# Altium PCB SPG300 Rev05.PcbDoc (part 8 of 8)
Units mm, origin at the board's own origin, x right, y up, seen from the top; angles counter-clockwise.
Board outline 176 x 152 mm, 6 copper layers (Top Layer, GND, Layer 1, Layer 2, PWR, Bottom Layer), stack 1.924 mm thick; 738 components, 393 nets, 2440 pads, 974 vias.
Unrouted connection lines stored in the file: 395.
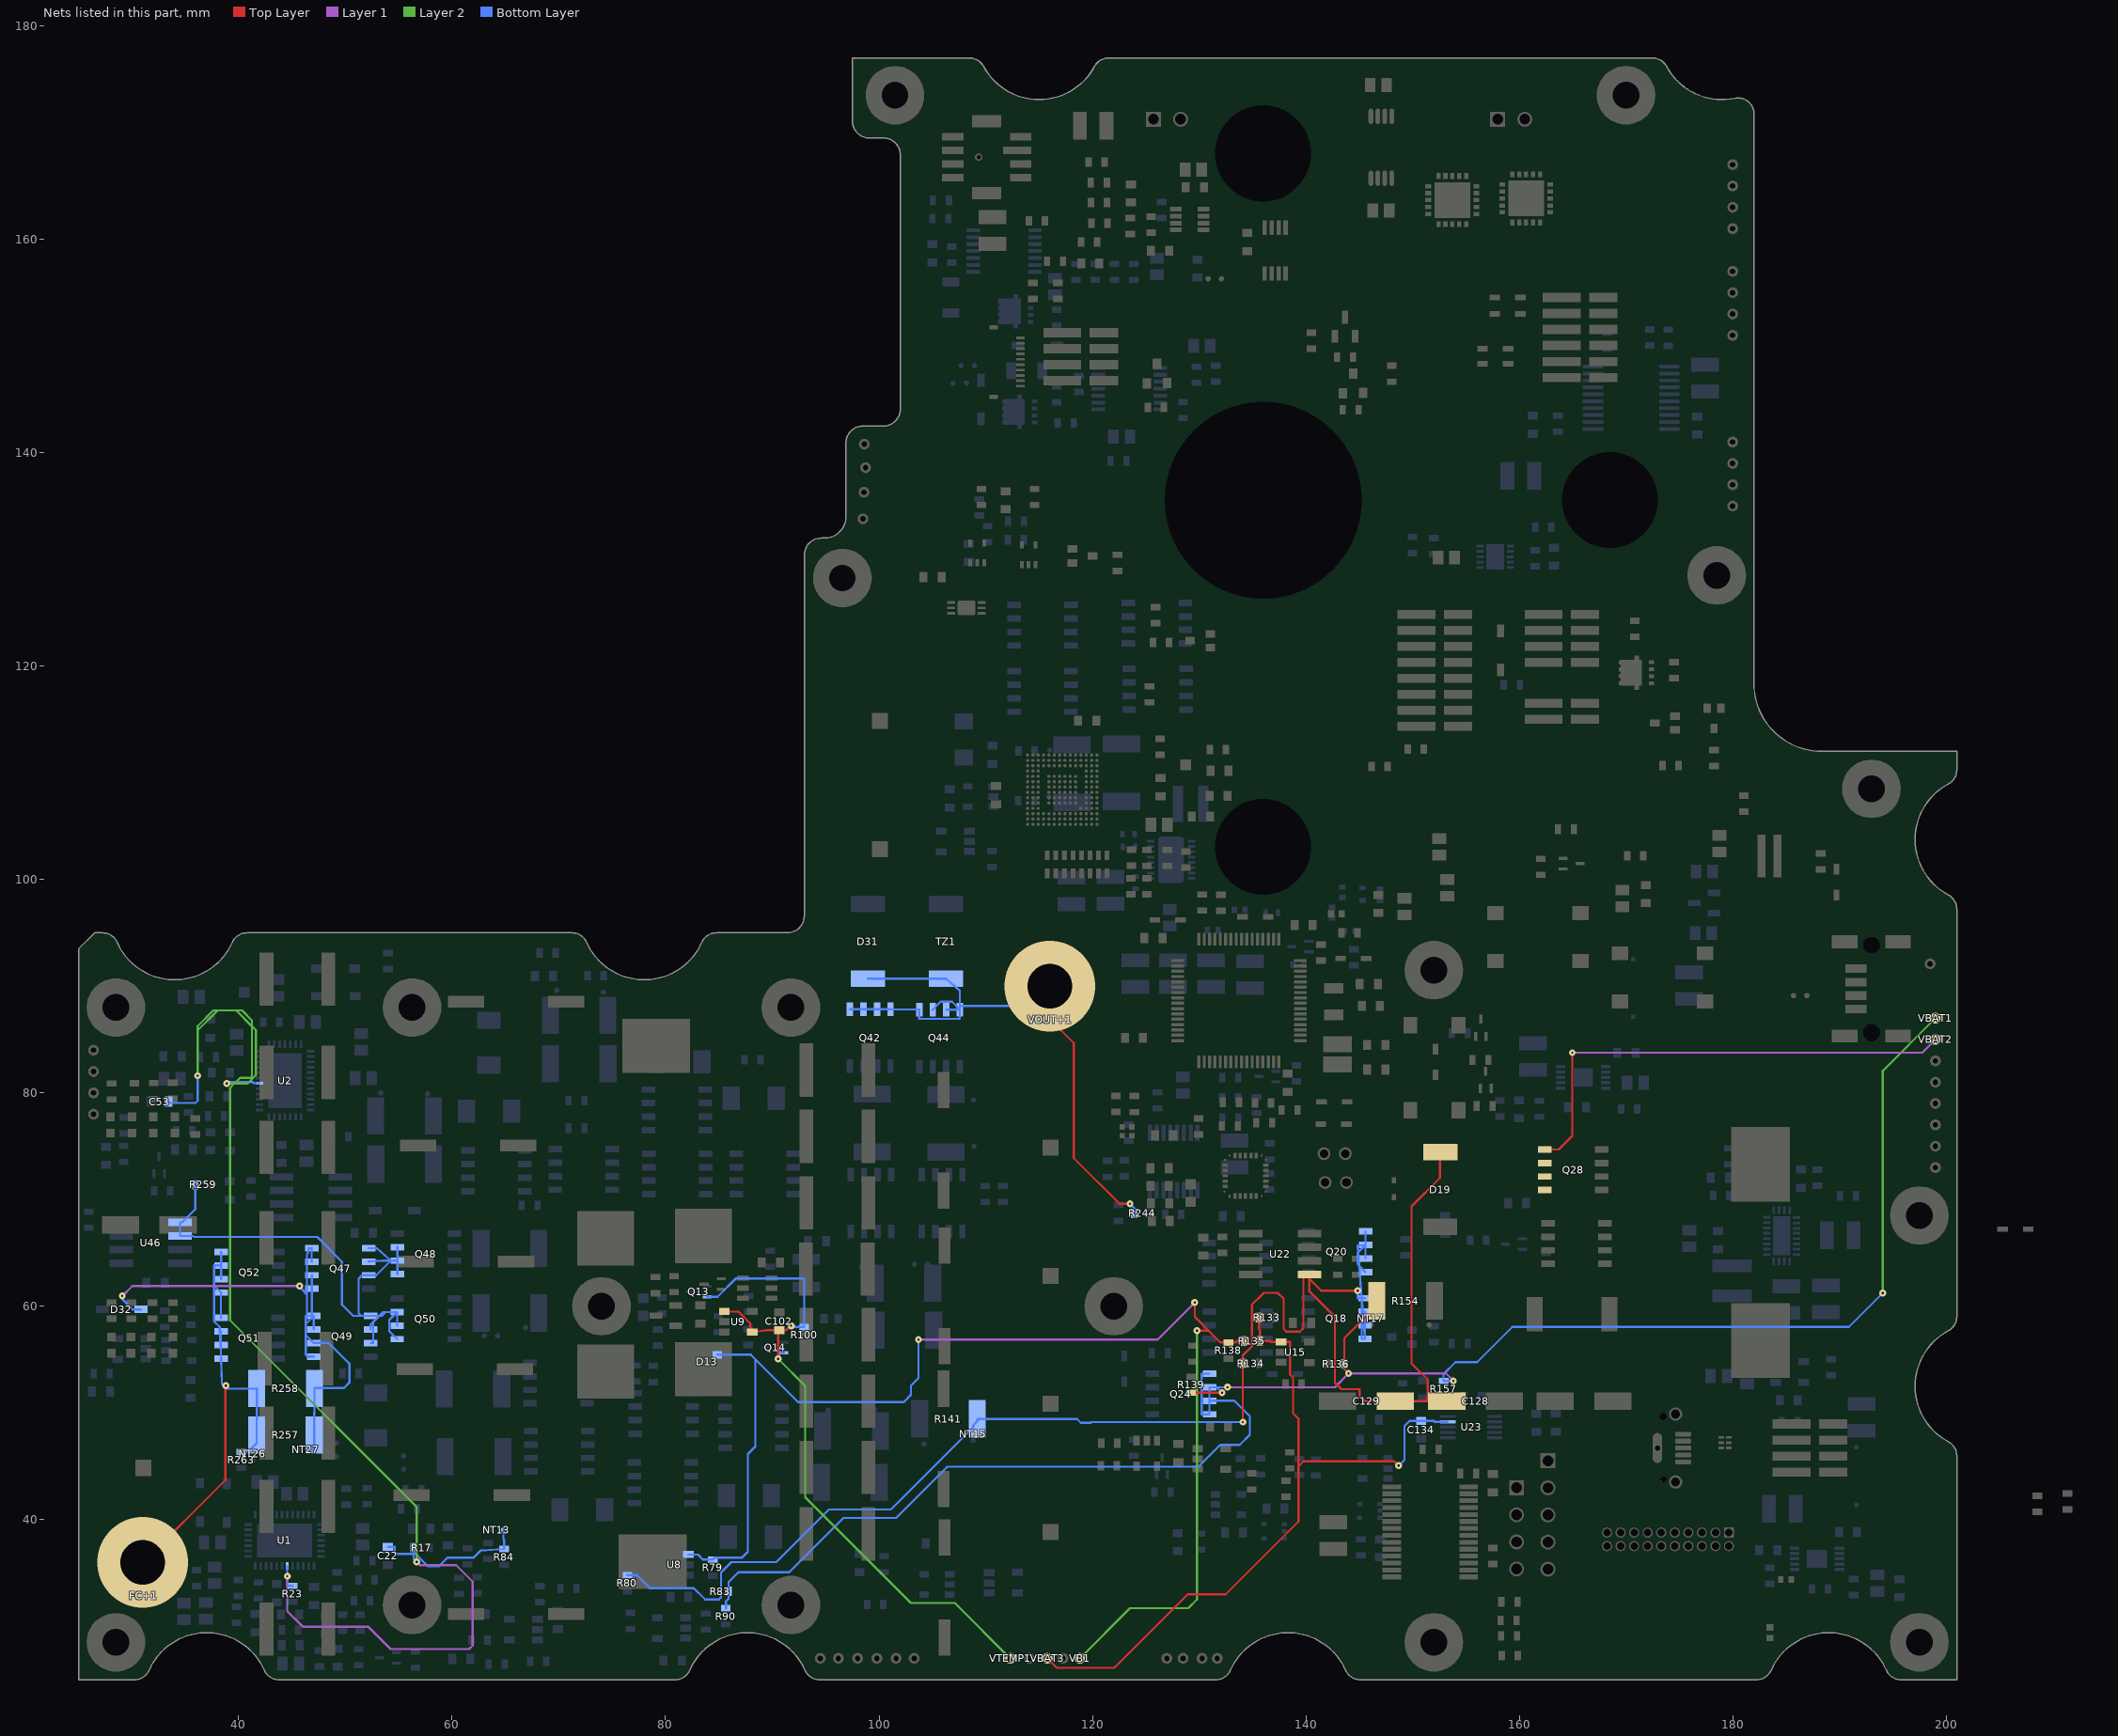
[diagram p12: the nets of this part, all layers, seen from the top]

## Via types
v1: diameter 0.65, hole 0.203, Top Layer to Bottom Layer, 964 vias
v2: diameter 8.5/0.5/0.5/8.5 (per signal layer), hole 4.2, Top Layer to Bottom Layer, 9 vias
v3: diameter 0.905, hole 0.305, Top Layer to Bottom Layer, 1 vias

## Nets (pads, with @x,y where several pads share a name; then routed paths per layer and width w, separated by ;. In a path a pad name is that pad's centre, name@x,y a point inside that pad or via, vN(x,y) a via of type N, cw(c..) or ccw(c..) an arc to the next point about the centre after c; other vN are vias at no path point) (continued)
VB2LIM: D13.1 R79.2 R135.1 R138.2 U8.1 VB1.1 | length 124
  Top Layer w0.203: v1(129.591,60.35) 129.591,59.004 130.886,57.709 ; v1(129.794,57.709) 130.886,57.709 ; R135.1@134.2,56.736 133.537,56.736 133.401,56.6 R138.2@132.749,56.6 131.995,56.6 130.886,57.709
  Layer 1 w0.203: v1(103.703,56.871) 126.111,56.871 v1(129.591,60.35)
  Layer 2 w0.203: VB1.1@118.825,27 123.524,31.699 128.981,31.699 129.794,32.512 v1(129.794,57.709)
  Bottom Layer w0.203: U8.1@82.141,36.725 83.033,36.725 83.508,36.25 R79.2@84.426,36.25 84.625,36.449 87.173,36.449 87.706,36.982 87.706,46.152 88.417,46.863 88.417,55.028 ; D13.1@84.85,55.46 87.986,55.46 88.417,55.028 ; v1(103.703,56.871) 103.703,53.259 102.997,52.553 102.997,51.689 102.311,51.003 92.442,51.003 88.417,55.028
VBAT1: NT17.1 Q24.D1 Q24.D2 Q24.D3 Q24.D4 R83.1 R90.1 R136.2 R139.2 R154.2 R157.2 VBAT1.1 | length 180.3
  Top Layer w0.203: R139.2@129.251,51.9 v1(132.156,51.9) ; v1(144.006,53.698) 143.6,54.104 R136.2@143.6,54.6 143.6,56.999 NT17.1@146.101,59.5 146.101,59.715 146.65,60.265 R154.2@146.65,60.499
  Layer 1 w0.203: v1(132.666,52.41) 142.718,52.41 v1(144.006,53.698) 153.134,53.698 v1(153.822,53.01)
  Layer 2 w0.203: v1(194.056,61.239) 194.056,82.056 VBAT1.1@199,87
  Bottom Layer w0.203: R90.1@85.649,31.69 85.649,32.334 85.9,32.585 R83.1@85.9,33.275 85.9,34.138 86.84,35.077 91.592,35.077 96.672,40.157 101.6,40.157 106.401,44.958 129.921,44.958 131.978,47.015 133.807,47.015 134.747,47.955 134.747,49.692 133.299,51.14 Q24.D3@130.969,51.14 ; Q24.D1@130.969,53.68 130.226,53.68 130.226,49.87 Q24.D4@130.969,49.87 Q24.D3@130.969,51.14 ; v1(132.156,51.9) 131.646,52.41 ; v1(132.666,52.41) 131.646,52.41 ; v1(153.822,53.01) 153.813,53 R157.2@152.926,53 152.908,53 152.908,53.645 154.026,54.762 156.058,54.762 159.36,58.064 190.881,58.064 v1(194.056,61.239) ; Q24.D3@130.969,51.14 Q24.D2@130.969,52.41 131.646,52.41
VBAT2: C128.1 C129.1 D19.C NT15.2 Q18.D1 Q18.D2 Q18.D3 Q18.D4 Q20.D1 Q20.D2 Q20.D3 Q20.D4 Q28.D1 Q28.D2 Q28.D3 Q28.D4 R80.1 R134.2 R141.2 U22.1 VBAT2.1 | length 214.5
  Top Layer w0.203: v1(134.1,49.149) R134.2@134.1,54.649 134.1,55.392 134.95,56.242 134.95,60.147 136.068,61.265 137.363,61.265 137.922,60.706 137.922,57.887 138.176,57.633 139.446,57.633 139.776,57.963 139.776,62.994 U22.1@140.335,62.994 ; U22.1@140.35,62.994 U22.1@140.335,62.994 ; v1(144.856,61.468) 141.427,61.468 140.335,62.56 ; D19.C@152.595,74.445 152.578,74.445 152.578,72.018 149.911,69.351 149.911,54.635 151.415,53.131 151.415,51.099 ; C128.1@153.2,51.099 151.415,51.099 ; Q28.D1@162.391,74.696 163.697,74.696 164.973,75.971 v1(164.973,83.769) ; 140.335,62.56 U22.1@140.335,62.994 ; 140.335,62.56 140.335,61.392 142.723,59.004 142.723,52.832 143.332,52.222 145.034,52.222 145.034,51.556 145.491,51.099 C129.1@148.379,51.099 151.415,51.099
  Layer 1 w0.203: v1(164.973,83.769) 197.769,83.769 VBAT2.1@199,85
  Bottom Layer w0.203: R80.1@76.424,34.8 77.315,34.8 78.537,33.579 82.652,33.579 83.718,32.512 84.988,32.512 85.192,32.715 85.192,35.052 86.157,36.017 90.373,36.017 95.302,40.946 101.119,40.946 NT15.2@108.825,48.652 108.825,48.844 109.216,49.234 R141.2@109.216,49.428 ; R141.2@109.216,49.449 R141.2@109.216,49.428 ; v1(134.1,49.149) 119.904,49.149 119.833,49.078 118.924,49.078 118.574,49.428 R141.2@109.216,49.428 ; v1(144.856,61.468) 144.856,60.751 Q18.D1@145.237,60.751 ; Q18.D3@145.544,58.211 Q18.D3@145.542,58.211 ; Q18.D2@145.544,59.481 145.542,59.481 Q18.D3@145.542,58.211 ; Q18.D1@145.544,60.751 Q18.D1@145.237,60.751 ; Q20.D4@145.596,63.203 145.005,63.794 ; Q20.D3@145.596,64.473 Q20.D2@145.596,65.743 ; Q20.D1@145.596,67.013 Q20.D2@145.596,65.743 ; 144.909,65.055 Q20.D2@145.596,65.743 ; 144.909,65.055 144.856,65.002 144.856,63.943 145.005,63.794 ; 144.909,65.055 144.86,65.686 Q20.D2@145.596,65.743 ; 144.909,65.055 144.957,64.424 145.005,63.794 ; 145.005,63.794 145.053,63.161 145.181,61.493 Q18.D1@145.237,60.751 ; Q18.D1@145.237,60.751 145.239,60.727 145.341,59.465 145.442,58.203 Q18.D4@145.542,56.963 ; Q18.D1@145.237,60.751 145.237,59.481 145.237,56.941 Q18.D4@145.542,56.941 ; Q18.D4@145.542,56.941 Q18.D4@145.542,56.963 ; Q18.D4@145.542,56.941 Q18.D4@145.544,56.941 Q18.D4@145.542,56.963 ; Q18.D4@145.542,56.963 Q18.D3@145.542,58.211
VBAT2DIFF: C134.1 R133.2 R135.2 U15.1 U23.4 VBAT3.1 | length 69.8
  Top Layer w0.203: VBAT3.1@115.774,27 116.663,26.111 122.047,26.111 128.93,32.995 132.486,32.995 139.319,39.827 139.319,44.983 ; R133.2@135.6,58.949 135.6,57.885 135.7,57.785 R135.2@135.7,56.736 136.627,56.736 136.713,56.65 U15.1@137.684,56.65 138.506,56.65 138.506,53.619 138.811,53.315 138.811,49.962 139.319,49.454 139.319,44.983 ; v1(148.692,45.06) 148.285,45.466 139.802,45.466 139.319,44.983
  Bottom Layer w0.203: v1(148.692,45.06) 149.237,45.605 149.237,48.768 149.729,49.26 C134.1@150.799,49.26 151.994,49.26 152.079,49.175 U23.4@153.3,49.175
VFC+: FC+1.1 NT26.2 Q51.D1 Q51.D2 Q51.D3 Q51.D4 Q52.D1 Q52.D2 Q52.D3 Q52.D4 R257.1 R258.1 R263.2 | length 54
  Top Layer w0.203: FC+1.1@31.075,32.85 31.075,36.028 38.76,43.713 38.76,52.527 v1(38.786,52.553)
  Bottom Layer w0.203: Q51.D2@38.344,56.366 Q51.D2@38.329,56.366 ; Q51.D3@38.344,57.636 38.329,57.636 Q51.D2@38.329,56.366 ; Q51.D4@38.344,58.906 38.329,58.906 38.329,61.282 Q52.D1@38.366,61.282 37.701,61.947 ; Q52.D2@38.366,62.552 Q52.D3@38.366,63.822 ; Q52.D4@38.366,65.092 Q52.D3@38.366,63.822 ; v1(38.786,52.553) v1@38.887,52.273 ; R263.2@40.255,46.343 40.87,46.343 NT26.2@41.326,46.799 41.678,47.151 R257.1@41.678,47.929 41.692,50.724 R258.1@41.692,52.273 ; R258.1@41.692,52.285 R258.1@41.692,52.273 ; 37.701,61.947 37.701,62.552 37.701,63.822 Q52.D3@38.366,63.822 ; 37.701,61.947 37.701,58.906 37.701,58.572 38.22,58.054 38.237,57.632 38.291,56.364 38.329,55.459 ; 38.329,55.459 Q51.D2@38.329,56.366 ; 38.329,55.459 38.329,55.096 Q51.D1@38.344,55.096 ; 38.329,55.459 Q51.D1@38.344,55.096 ; Q51.D1@38.344,55.096 38.425,52.736 v1@38.887,52.273 ; v1@38.887,52.273 R258.1@41.692,52.273
  other v2: 31,36
VFCBBEN: Q47.S1 Q47.S2 Q47.S3 Q48.S1 Q48.S2 Q48.S3 Q49.S1 Q49.S2 Q49.S3 Q50.S1 Q50.S2 Q50.S3 R259.2 U46.5 U46.6 | length 55.5
  Bottom Layer w0.203: R259.2@35.926,71.399 35.926,69.088 34.696,67.859 U46.5@34.5,67.859 U46.6@34.5,66.589 35.712,66.589 35.809,66.492 47.36,66.492 49.682,64.169 49.682,60.147 50.735,59.095 51.472,59.095 ; Q47.S2@52.196,64.176 53.562,64.271 Q48.S2@54.254,64.271 ; Q47.S1@52.196,65.446 52.934,65.446 Q48.S2@54.254,64.271 ; Q49.S3@52.377,56.555 52.603,56.555 52.603,58.522 ; Q49.S2@52.377,57.825 52.375,57.825 52.375,58.293 52.603,58.522 ; Q50.S1@54.854,56.919 54.102,57.672 54.102,58.707 Q50.S3@54.854,59.459 ; Q50.S2@54.854,58.189 Q50.S3@54.854,59.459 ; Q48.S1@54.876,63.001 Q48.S2@54.876,64.271 ; Q48.S3@54.876,65.541 Q48.S2@54.876,64.271 ; 51.472,59.095 Q49.S1@52.377,59.095 53.176,59.095 ; 51.472,59.095 51.232,59.334 51.232,62.586 51.552,62.906 Q47.S3@52.196,62.906 52.889,62.906 Q48.S2@54.254,64.271 ; 52.603,58.522 52.777,58.695 53.176,59.095 ; 53.176,59.095 53.416,59.095 53.781,59.459 ; 53.176,59.095 53.541,59.459 53.781,59.459 ; 53.781,59.459 Q50.S3@54.854,59.459 ; Q48.S2@54.254,64.271 Q48.S2@54.876,64.271
VFCIS: D32.A NT27.2 Q47.D1 Q47.D2 Q47.D3 Q47.D4 Q49.D1 Q49.D2 Q49.D3 Q49.D4 R257.2 R258.2 | length 56.3
  Layer 1 w0.203: v1(29.083,60.96) 30.023,61.9 v1(45.7,61.9)
  Bottom Layer w0.203: v1(29.083,60.96) 29.083,60.69 30.074,59.699 D32.A@30.85,59.699 ; v1(45.7,61.9) 46.296,61.175 46.392,61.059 ; Q47.D2@46.856,62.906 Q47.D1@46.856,61.636 Q49.D4@46.856,59.095 ; Q47.D3@46.856,64.176 46.838,64.176 Q47.D4@46.838,65.446 ; Q47.D4@46.856,65.446 Q47.D4@46.838,65.446 ; NT27.2@46.894,46.574 47.078,46.758 R257.2@47.078,47.929 47.078,50.114 47.091,50.128 R258.2@47.091,52.285 47.091,52.324 49.86,52.324 50.368,52.832 50.368,54.624 48.438,56.555 Q49.D2@47.037,56.555 46.279,57.313 ; Q49.D1@47.037,55.285 46.442,55.285 46.279,55.448 46.279,57.313 ; Q49.D3@47.037,57.825 Q49.D4@47.037,59.095 ; 46.279,57.313 46.279,58.336 ; 46.279,58.336 46.279,59.095 46.392,59.095 ; 46.279,58.336 Q49.D4@47.037,59.095 ; 46.392,59.095 Q49.D4@46.856,59.095 ; 46.392,59.095 46.392,61.059 ; 46.392,61.059 46.392,64.883 46.533,65.024 46.533,65.446 Q47.D4@46.838,65.446 ; Q49.D4@46.856,59.095 Q49.D4@47.037,59.095
VOUT: D31.C Q42.D1 Q42.D2 Q42.D3 Q42.D4 Q44.D1 Q44.D2 Q44.D3 Q44.D4 R244.2 TZ1.C VOUT+1.1 | length 59.1
  Top Layer w0.203: v1(116.075,88.138) VOUT+1.1@116.075,86.85 118.262,84.663 118.262,73.875 122.542,69.596 v1(123.523,69.596)
  Bottom Layer w0.203: Q42.D1@97.27,87.843 97.27,87.833 Q42.D2@98.54,87.833 ; Q42.D2@98.54,87.843 Q42.D2@98.54,87.833 ; D31.C@98.976,90.7 106.275,90.7 107.581,89.596 Q44.D4@107.581,88.138 ; Q42.D3@99.81,87.843 Q42.D3@99.81,87.833 ; Q42.D4@101.08,87.843 Q42.D4@101.08,87.833 ; Q44.D1@103.771,87.782 Q42.D4@101.08,87.833 ; Q44.D1@103.771,87.804 103.771,87.782 103.771,86.931 107.581,86.931 Q44.D4@107.581,87.804 ; Q44.D2@105.041,87.804 105.781,88.544 106.841,88.544 Q44.D4@107.581,87.804 ; Q44.D3@106.311,87.804 Q44.D4@107.581,87.804 ; v1(116.075,88.138) Q44.D4@107.581,88.138 ; v1(123.523,69.596) 123.929,69.19 R244.2@123.929,68.712 ; Q42.D2@98.54,87.833 Q42.D3@99.81,87.833 ; Q42.D3@99.81,87.833 Q42.D4@101.08,87.833 ; Q44.D4@107.581,87.804 Q44.D4@107.581,88.138
  other v2: 116,90
VOUTLIM: C22.1 C53.1 NT13.2 R17.1 R23.2 R84.2 U1.6 U2.6 | length 143.8
  Layer 1 w0.203: v1(44.552,34.696) 44.552,31.42 45.999,29.972 52.121,29.972 54.229,27.864 61.595,27.864 61.925,28.194 61.925,34.188 60.376,35.738 56.998,35.738 v1(56.693,36.043)
  Layer 2 w0.203: v1(36.144,81.61) 36.144,85.852 ; v1(38.887,80.874) 39.596,80.874 ; v1(56.693,36.043) 56.693,41.173 39.189,58.677 39.189,80.467 39.596,80.874 ; 36.144,85.852 36.144,86.258 37.612,87.726 38.019,87.726 ; 36.144,85.852 38.019,87.726 ; 38.019,87.726 39.756,87.726 ; 39.596,80.874 40.134,81.412 41.25,81.412 ; 39.596,80.874 40.843,80.874 41.25,81.28 41.25,81.412 ; 39.756,87.726 41.25,86.233 ; 39.756,87.726 40.31,87.726 41.25,86.787 41.25,86.233 ; 41.25,81.412 41.25,86.233 ; 41.25,81.412 41.351,81.412 41.625,81.686 41.625,85.857 41.25,86.233
  Bottom Layer w0.203: C53.1@33.425,79.175 33.425,79.045 35.941,79.045 36.144,79.248 v1(36.144,81.61) ; v1(38.887,80.874) 39.014,81.001 41.326,81.001 41.426,80.901 U2.6@41.938,80.901 ; U1.6@44.55,35.65 v1@44.55,34.698 ; v1(44.552,34.696) v1@44.55,34.698 ; R23.2@45.05,33.799 44.55,33.799 v1@44.55,34.698 ; C22.1@53.973,37.45 54.615,37.45 54.615,37.034 54.862,36.787 56.4,36.787 ; R17.1@56.4,37.374 R17.1@56.4,36.957 ; v1(56.693,36.043) 56.4,36.336 56.4,36.787 ; NT13.2@64.8,39.05 64.8,38.176 64.876,38.1 R84.2@64.876,37.25 62.687,37.109 62.027,36.449 59.584,36.449 58.776,35.64 57.716,35.64 R17.1@56.4,36.957 ; 56.4,36.787 R17.1@56.4,36.957
VTEMP: C102.1 Q13.2 Q14.2 R100.1 U9.1 U9.4 VTEMP1.1 | length 66.6
  Top Layer w0.203: U9.1@85.51,59.499 86.82,59.499 87.96,58.359 87.96,57.564 U9.4@88.14,57.564 89.466,57.75 C102.1@90.551,57.75 ; v1(90.551,55.067) C102.1@90.551,57.75 ; v1(91.77,58.166) 91.262,57.734 C102.1@90.65,57.75 C102.1@90.551,57.75
  Layer 2 w0.203: v1(90.551,55.067) 93.091,52.527 93.091,42.088 102.997,32.182 107.118,32.182 VTEMP1.1@112.299,27
  Bottom Layer w0.203: Q13.2@83.89,60.875 84.876,60.875 86.612,62.611 92.862,62.611 92.989,62.484 R100.1@92.989,58.05 ; v1(90.551,55.067) 90.627,55.143 90.627,55.625 Q14.2@91.076,55.625 ; v1(91.77,58.166) 91.77,58.05 R100.1@92.989,58.05 ; R100.1@93,58.05 R100.1@92.989,58.05
pads on no net: J2.3 J9.22 J9.23 J10.5 J10.6 J10.7 J10.8 J10.9 J10.10 J11.7 J11.8 J11.9 J11.11 J11.12 J11.13 J11.14 J11.16 J11.18 J11.20 J15.3 J15.8 J15.11 J15.12 L1. L2. Q34.1 SW1.3 SW1.4 SW2.3 SW2.4 SW3.3 SW3.4 U1.20 U1.24 U2.20 U2.24 U3.7 U3.10 U3.11 U3.12 U3.19 U3.21 U3.22 U3.23 U3.24 U4.8 U5.8 U13.6 U13.15 U14.6 U22.3 U23.2 U24.2 U24.6 U24.7 U24.12 U24.22 U24.25 U24.26 U24.27 U30.11 U30.12 U30.14 U30.15 U31.11 U31.12 U31.14 U31.15 U32.A1 U32.A6 U32.A8 U32.A9 U32.A10 U32.A11 U32.A12 U32.A13 U32.A14 U32.B7 U32.B8 U32.B9 U32.B10 U32.B11 U32.B12 U32.B13 U32.B14 U32.C7 U32.C8 U32.C9 U32.C10 U32.C11 U32.C12 U32.C13 U32.C14 U32.E5 U32.E8 U32.E9 U32.E10 U32.E12 U32.E13 U32.F3 U32.F7 U32.F8 U32.F9 U32.F10 U32.F12 U32.F13 U32.F14 U32.G6 U32.G7 U32.G8 U32.G9 U32.G10 U32.G12 U32.G13 U32.G14 U32.H7 U32.H8 U32.H9 U32.H12 U32.H13 U32.H14 U32.J1 U32.J2 U32.J3 U32.J6 U32.J7 U32.J8 U32.J12 U32.J13 U32.J14 U32.K6 U32.K7 U32.K10 U32.K12 U32.K13 U32.K14 U32.L1 U32.L2 U32.L3 U32.L12 U32.L13 U32.L14 U32.M1 U32.M2 U32.M3 U32.M7 U32.M8 U32.M9 U32.M10 U32.M11 U32.M12 U32.M13 U32.M14 U32.N1 U32.N3 U32.N8 U32.N9 U32.N10 U32.N11 U32.N12 U32.N13 U32.N14 U32.P1 U32.P9 U32.P10 U32.P11 U32.P12 U32.P13 U32.P14 U34.3 U34.5 U35.8 U35.9 U35.11 U35.14 U35.17 U35.25 U35.27 U38.1 U38.6 U38.10 U38.12 U38.14 U40.5 U40.6 U40.7 U40.8 U40.9 U40.10 U40.11 U41.1 U41.6 U41.10 U41.12 U41.14 U44.14 U46.3 U48.3
copper on no net: | length 74
  Top Layer w0.203: v1(106.35,111.15) 106.35,101.752 121.437,86.665 121.437,79.07 124.917,79.07 127.737,81.89 129.774,81.89 129.977,82.9 ; v1(157.04,90.227) 157.04,90.057 157.277,89.82 157.669,89.82 158.439,89.05 159.05,89.05 ; v1(157.446,88.9) 157.629,88.9 158.479,88.05 159.05,88.05 ; v1(173.558,101.524) 176.648,101.524 177.698,102.574 178.74,102.574 ; 178.749,102.574 178.74,102.574 ; 189.725,100.95 188.251,100.95 188.112,100.95 184.698,97.536 182.971,97.536 178.74,101.767 178.74,102.574

## Polygon pours and split planes (outlines as drawn)
BBOUT on Bottom Layer "BBOUT_L06_P043" (solid, pour order 43): 97.275,70.876 97.294,70.857 107.835,70.857 107.835,66.248 105.988,64.401 105.988,56.186 105.885,56.083 104.323,56.083 104.323,65.296 103.3,66.319 96.875,66.319 96.875,70.689 96.647,70.917
BBOUTM on Bottom Layer "BBOUTM_L06_P041" (solid, pour order 41): 94.432,50.045 93.588,50.888 89.974,50.888 89.154,50.068 89.154,41.123 95.5,41.123 95.5,50.045
BBOUT on Bottom Layer "BBOUT_L06_P040" (solid, pour order 40): 99.265,50.045 99.177,49.956 99.177,41.544 101.135,41.544 101.155,41.524 103.5,43.869 103.5,51.137 102.057,51.137 101.07,50.15 101.07,50.045
no net on Bottom Layer "Bottom Layer-No Net" (solid, pour order 26): 40.175,45.9
NetQ30_D1 on Bottom Layer "Bottom Layer-NetQ37_D1" (solid, pour order 24): 117.25,116.6 121.386,116.6 122.4,115.586 122.414,115.6 127.5,115.6 127.5,126.371 127.271,126.6 121.6,126.6 121.6,126.1 120.6,125.1 119.63,126.07 117.2,126.07 117.2,122.839 117.239,122.8 119.5,122.8 119.7,122.6 119.7,121.1 119,120.4 117.25,120.4
HTR+ on Bottom Layer "Bottom Layer-HTR+" (solid, pour order 22): 116.527,126.2 100.6,126.2 97.2,122.8 93.6,122.8 93.6,112.3 103.425,112.3 105.225,114.1 110.739,114.1 112.139,115.5 116.527,115.5
VBAT2 on Top Layer "VBAT2_L01_P038" (solid, pour order 38): 150.9,75.3 151,75.2 166.2,75.2 166.2,70.876 166.261,70.815 166.07,70.625 158.85,70.625 155.9,73.575 150.925,73.575
BBINS on Top Layer "Top Layer-BBINS" (solid, pour order 36): 47.625,63.9 47.625,93.1 49.025,93.1 49.025,63.9
BBINM on Top Layer "Top Layer-BBINM" (solid, pour order 34): 47.775,27.25 47.725,27.3 47.725,57.65 49.025,57.65 49.35,57.65 49.35,27.22
GND on Top Layer "Top Layer-GND" (solid, pour order 32): 41.925,27.187 41.925,93.15 41.9,93.175 43.25,93.175 43.25,27.425 43.25,27.187
VFC+ on Layer 2 "VFC+_L04_P045" (solid, pour order 45): 35.75,32.5 35.75,36.982 38.24,36.982 43.25,41.992 43.25,50.5 37.5,50.5 37.313,50.313 37.313,45.838 32.225,40.75 27.25,40.75 26.25,39.75 26.25,34 27.75,32.5
VFCBBEN on Layer 2 "VFCBBEN_L04_P044" (solid, pour order 44): 52.76,65.75 52.76,56.475 52.785,56.5 54.75,56.5 54.75,65.661 54.661,65.75
GND on GND (split plane): 441 vertices, not listed, extent 25.51,25.509 136.132,141.991
GND on GND (split plane): 103.324,176.476 98.091,176.476 98.062,176.471 98.037,176.454 98.021,176.429 98.015,176.4 98.015,170.999 98.009,171.086 98.01,171.1 98.01,176.49 103.324,176.49
DGND on GND (split plane): 545 vertices, not listed, extent 98.168,25.687 200.491,176.436
GND on GND (split plane): 163.774,55.776 121.202,55.528 121.202,62.523 163.774,62.899
GND on GND (split plane): 200.416,46.359 200.458,46.237 200.483,46.109 200.491,45.992 200.49,45.98 200.49,25.51 200.36,25.51 200.36,25.511 200.382,25.544 200.39,25.584 200.382,25.624 200.363,25.652 200.363,46.467
GND on GND (split plane): 181.49,119.698 181.276,119.912 181.276,138.526 181.49,138.739
GND on GND (split plane): 200.416,97.609 200.458,97.487 200.483,97.359 200.491,97.242 200.49,97.23 200.49,59.02 200.491,59.008 200.483,58.891 200.458,58.763 200.416,58.641 200.363,58.533 200.363,62.707 200.363,97.717
3V3 on PWR (split plane): 878 vertices, not listed, extent 25.51,25.509 200.491,176.491
3V3 on PWR (split plane): 93.088,83.215 93.031,28.072 93.021,28.062 93.014,28.043 93.013,28.024 93.021,28.005 93.031,27.994 93.03,27.012 92.898,27.21 92.682,27.497 92.45,27.772 92.203,28.033 91.942,28.28 91.667,28.512 91.38,28.728 91.081,28.928 90.771,29.111 90.451,29.276 90.123,29.423 89.787,29.551 89.445,29.66 89.096,29.75 88.744,29.82 88.388,29.87 88.029,29.9 87.67,29.911 87.311,29.9 86.952,29.87 86.596,29.82 86.244,29.75 85.895,29.66 85.553,29.551 85.217,29.423 84.889,29.276 84.569,29.111 84.259,28.928 83.96,28.728 83.673,28.512 83.398,28.28 83.137,28.033 82.89,27.772 82.658,27.497 82.442,27.21 82.242,26.911 82.059,26.601 81.894,26.281 81.82,26.115 81.811,26.098 81.811,26.099 81.806,26.089 81.805,26.087 81.764,26.004 81.692,25.896 81.607,25.799 81.509,25.713 81.401,25.641 81.285,25.584 81.162,25.542 81.035,25.517 80.918,25.509 80.905,25.51 45.252,25.51 45.252,83.745

## Keep-outs
Keep-Out Layer:
  the board outline again, w0.254

## Other copper
Top Layer:
  region net VBAT2: 146.7,51.9 146.7,50.35 146.65,50.3 155,50.3 155,51.9
  region net GND: 106.6,58 106.6,50.6 105.5,50.6 105.5,58
  region net BBOUTS: 92.6,84.6 92.5,84.5 92.5,61 93.8,61 93.9,61.1 93.9,84.6
  region net BBOUT: 106.601,72.55 106.69,72.462 106.69,63.975 105.6,63.975 105.501,64.073 105.501,72.548
  region net GND: 160.688,59.62 160.65,59.659 160.65,68.151 163.274,68.151 163.34,68.085 163.34,65.028 161.781,65.028 161.756,65.002 161.756,61.313 162.208,60.86 162.208,59.62
  region net NetC127_1: 168.68,63.665 168.68,73.704 168.707,73.731 167.12,73.731 167.12,63.595 167.1,63.575
  region net BBOUT: 105.3,44.7 105.286,44.686 105.286,36.474 106.68,36.474 106.68,44.715
  region: 105.8,43.4
  region net BBOUTM: 92.659,59.8 92.659,59.541 92.659,36.144 93.861,36.144 93.8,36.205 93.8,59.8
  region: 98.2,84.875 98.15,84.825 98.15,36.055 99.8,36.055 99.75,36.105 99.75,84.875
  region net GND: 42.875,55.85 45.325,55.85 45.325,65.55 42.875,65.55
  region: 57,40
Bottom Layer:
  region: 122.7,90.7 122.7,89.226 122.826,89.1 136.1,89.1 136.1,90.5
  region net GND: 97.4,98.5 97.4,96.9 107.95,96.9 107.95,98.5
  region net GND: 123,97.2 123,98.5 116.6,98.5 116.6,96.9 122.974,96.9 123,96.874
  region net NetNT19_2: 116.3,113.4 116.3,111.8 124.6,111.8 124.6,113.5
  region net BBOUT: 124.5,108.1 124.4,108 116.4,108 116.4,106.4 116.5,106.5 124.5,106.5
  region net BBOUT: 116.7,100.9 116.7,99.5 123.1,99.5 123.1,100.9
  region net GND: 60.225,44.5 60.225,54.129 59.955,54.399 58.25,54.399 58.25,44.45 58.2,44.4
  region net BBIN: 53.575,72.5 53.65,72.049 53.65,79.6 52,79.6 51.975,79.575 52.196,79.354 52.196,72.049
  region: 134.4,91.4
  region net GND: 136.073,92.578 135.578,93.073 122.758,93.073 122.758,91.794 122.743,91.778 122.848,91.673 136.073,91.673
  region net 5V0: 174.819,91.956 174.788,91.925 173.07,91.925 173.07,90.551 174.658,90.551 174.763,90.656 174.86,90.656
  region net BBOUT: 162.282,82.799 163.23,82.799 163.426,82.602 164.299,82.602 164.299,81.805 164.277,81.783 162.379,81.783
  region net DGND: 165.1,79.475 165.05,79.525 165.05,85.089 163.271,86.868 163.271,87.999 166.933,87.999 166.933,79.479
  region net BBOUT: 185.663,66.968 188.821,66.968 188.821,65.534 188.638,65.718 185.64,65.718
  region: 185.663,66.968
  region net DGND: 183.85,68.35 183.85,73 184.034,73.184 184.034,73.3 189.213,73.3 189.213,72.4 185.692,72.4 185.34,72.048 185.34,68.072
  region net 3V3: 178.05,61.625 178.05,58.941 178.216,58.775 192.975,58.775 192.975,59.85 192.825,60 181.975,60 181.975,60.192 181.7,60.467 181.7,61.6
  region net DGND: 183.85,65 183.84,64.99 183.84,61.265 183.85,61.275 190.068,61.275 190.068,62.732 190.05,62.75 190.025,62.725 185.675,62.725 185.565,62.835 185.565,64.852
  region net NetC64_2: 183.5,64.625 183.49,64.635 183.49,66.05 182.502,66.05 180.645,64.193 180.675,64.163 180.675,63.2 182.072,63.2 183.49,64.618
  region net VFCBBEN: 55.475,65.825 52.897,65.825 52.858,65.786 51.535,65.786 51.535,62.552 55.462,62.552
  region net VFCBBEN: 51.775,56.225 51.79,56.21 55.474,56.21 55.474,59.728 55.451,59.75 51.765,59.75
  region net BBOUT: 104.2,64.449 104.2,54.569 103.007,53.375 103.084,53.298 103.084,50.091 104.83,50.091 105.953,51.214 105.953,63.973 106.608,64.628
  region net VBAT2: 146.2,56.625 146.196,56.621 141.674,56.621 141.674,67.226 141.6,67.3 146.275,67.3
  region net NetD15_C: 135.6,66.2 135.6,62.975 135.625,63 137.125,63 137.675,62.45 137.675,59.903 137.572,59.8 135.601,59.8 135.601,56.496 135.63,56.525 140.8,56.525 140.8,59.903 139.101,59.903 139.101,62.326 139.7,62.925 140.8,62.925 140.8,66.139
  region net VB2: 134.8,55.325 134.826,55.351 134.826,66.319 122.206,66.319 118.1,70.425 113.9,70.425 111.5,68.025 111.5,63.823 113.823,61.5 119.501,61.5 120.876,62.875 123.25,62.875 129.219,56.906 129.219,55.334
  region net VB1: 126.3,52.725 126.25,52.775 124.326,52.775 123.276,53.825 121.6,53.825 121.6,54.725 117.6,58.725 113.952,58.725 111.5,56.273 111.5,52.049 114.1,49.449 126.174,49.449 126.275,49.55
  region net NetNT24_2: 97.075,71.775 100.115,71.775 100.124,71.765 100.124,73.074 100.609,73.559 102.576,73.559 103.3,72.835 103.3,71.675 106.825,71.675 106.85,71.65 106.85,72.987 107.175,73.313 108.185,73.313 108.185,75.287 108.073,75.287 107.887,75.35 97.125,75.35
  region net VOUT: 107.084,91.675 110.683,91.675 113.658,94.65 118.284,94.65 120.509,92.425 120.509,87.7 118.259,85.45 118.209,85.5 109.825,85.5 108.309,83.984 108.169,84.125 107.234,84.125
  region net NetNT25_2: 98.225,83.15 98.225,81.3 97.575,80.65 97.575,79.075 108.06,79.075 108.1,79.035 108.1,83.1 104.625,83.1 104.575,83.05 104.575,81.35 104.525,81.35 104.225,81.05 101.975,81.05 101.4,81.05 101.4,81.925 101.4,83.125
  region net VOUT: 97.25,83.973 97.248,83.975 96.9,83.975 96.9,91.525 96.875,91.55 96.95,91.625 108.15,91.625 108.15,83.984 108.1,83.934
  region net BBOUTS: 88.1,71.075 88.1,74.324 88.099,74.325 89.45,75.677 89.45,80.575 91.225,80.575 91.3,80.5 91.774,80.5 92.625,79.649 92.625,70.2 88.324,70.2 88.099,70.425
  region: 47.925,46.375
  region net VFCIS: 46.122,46.325 46.122,65.795 46.072,65.845 50.497,65.845 50.497,55.408 50.549,55.356 49.93,54.738 48.19,54.738 47.925,54.472 47.925,46.325
  region net NetC46_2: 87.201,78.449 86.95,78.7 86.95,81.475 84.184,84.241 82.29,84.241 82.29,80.865 81.25,79.825 81.175,79.825 81.175,74 81.1,73.925 81.125,73.9 81.125,73.2 84.275,73.2 84.5,73.425 84.425,73.5 84.425,78.421
  region net NetC46_2: 87.4,70.2 87.4,73.464 87.4,73.465 82.29,73.465 82.29,70.2
  region net NetC47_2: 66.121,71.767 66.121,74.95 66.171,75 70.62,75 70.62,70.496 70.582,70.533 68.821,70.533 68.821,71.074 68.13,71.765
  region net NetD7_A: 80.025,81.875 80.025,84.241 75.193,89.074 73.551,89.074 73.551,77.248 74.6,76.2 76.825,78.425 76.825,81.55 76.6,81.775
  region net NetD7_A: 79.192,70.867 79.192,73.319 77.65,73.319 77.17,73.799 77.17,75.695 77.675,76.2 77.764,76.111 79.192,76.111 79.192,79.268 79.11,79.35 77.025,79.35 74.2,76.525 74.2,71.765 76.185,71.765 77.75,70.2 79.192,70.2
  region net VFC+: 42.263,45.975 37.075,45.975 37.075,47.025 37.457,47.407 38.486,48.636 38.486,53.896 37.457,54.925 37.457,65.516 42.144,65.516 42.214,65.446 42.214,55.076
  region: 39.75,46.775
  region: 58.275,69.45
  region net BBINS: 57.35,79.575 57.425,79.5 62.562,79.5 62.562,76.111 64.014,74.659 65.351,74.659 65.351,70.425 57.48,70.425
  region net BBINM: 68.775,57.55 68.775,67.174 68.774,67.175 67.245,67.175 67.245,57.58
  region net BBIN: 63.55,67.425 63.55,56.675 56.294,56.675 56.294,58.177 56.294,67.425
  region net NetC16_2: 73.4,44.1 68.86,44.1 68.8,44.16 68.8,55.075 73.3,55.075 73.325,55.05
  region net NetD2_A: 68.05,44.075 68.025,44.05 63.925,44.05 63.925,53.975 63.875,54.025 66.495,54.025 66.821,53.699 67.991,53.699 67.991,50.584 66.5,50.584 66.5,47.699 66.806,47.392 68.05,47.392 68.05,44.084
GND (plane layer: these items are gaps in the copper):
  lines w0.1: 120.875,55.475 163.825,55.725 163.825,62.95 121.029,62.573 121.076,56.35 121.076,55.475
  lines w0.15: 99.375,156.191 98.091,157.475 98.091,176.4 103.4,176.4 103.4,176.513 181.5,176.513 181.5,138.857 181.2,138.558 181.2,119.88 185.972,115.108 196.89,115.108 201,110.999 201,101.507 200.287,100.793 200.287,62.707 200.287,48.746 200.287,25.584
  lines w0.203: 120.95,25.584 200.287,25.584
  lines w0.5: 99.375,156.191 99.375,124.5 104.45,119.425 104.45,105.35 108.094,101.706 110.994,101.706 114,96.416 136.384,96.416 136.384,89.484 135.75,88.85 120.95,88.85 120.95,79.465 120.95,65.544 120.95,25.584
PWR (plane layer: these items are gaps in the copper):
  region: 39.075,42.5
  lines w0.1: 93.063,28.033 93.075,28.025 ; 93.348,83.464 93.35,83.475
  lines w0.5: 45,25 45,84 93.348,83.464 ; 93.281,25.25 93.34,83.525 ; 93.502,96.416 93.873,96.037

## Silkscreen, mask and mechanical layers (free items; w line width, h text height)
Top Overlay:
  text "+" at 127.8,168.5 h1.52
  text "+" at 160.25,168.5 h1.52
  text "PWR" at 162.525,98.1 h1
  text "LID" at 171.525,86.45 h1
  text "CARTSW" at 148.878,76.051 h1
  text "USB" at 172.225,45.994 h1 r90
  text "USB" at 191.55,45.45 h1 r90
Mechanical 1:
  circle w0.127: c168.5,135.55 r2.15
  circle w0.127: c138,103.5 r2.15
  circle w0.127: c103.5,135.55 r2.15
  circle w0.127: c138,168.05 r2.15
  circle w0.127: c56.25,88 r1.25
  circle w0.127: c91.75,88 r1.25
  circle w0.127: c74,60 r1.25
  circle w0.127: c56.25,32 r1.25
  circle w0.127: c91.75,32 r1.25
  circle w0.127: c122,60 r1.25
  circle w0.127: c152,91.5 r1.25
  circle w0.127: c197.5,68.5 r1.25
  circle w0.127: c96.5,128.5 r1.25
  circle w0.127: c28.5,88 r1.25
  circle w0.127: c193,108.5 r1.25
  circle w0.127: c197.5,28.5 r1.25
  circle w0.127: c28.5,28.5 r1.1
  circle w0.127: c152,28.5 r1.25
  circle w0.127: c101.5,173.5 r1.25
  circle w0.127: c170,173.5 r1.1
  circle w0.127: c178.5,128.5 r1.25
  circle w0.127: c116,90 r2.175
  circle w0.127: c116,78 r2.175
  circle w0.127: c116,66 r2.175
  circle w0.127: c116,54 r2.175
  circle w0.127: c116,42 r2.175
  circle w0.127: c100,118 r2.175
  circle w0.127: c100,106 r2.175
  circle w0.127: c31,36 r2.175
  circle w0.127: c31,48 r2.175
  lines w0.127: 25,25 25,93.5 26.5,95 27.235,95 cw(c27.235,93.5) 28.607,94.108 ccw(c34,96.5) 39.393,94.108 cw(c40.765,93.5) 40.765,95 71.235,95 cw(c71.235,93.5) 72.607,94.108 ccw(c78,96.5) 83.393,94.108 cw(c84.765,93.5) 84.765,95 91.4,95 ccw(c91.4,96.6) 93,96.6 93,130.4 cw(c94.6,130.4) 94.6,132 94.9,132 ccw(c94.9,134) 96.9,134 96.9,140.9 cw(c98.5,140.9) 98.5,142.5 100.4,142.5 ccw(c100.4,144.1) 102,144.1 102,167.9 ccw(c100.4,167.9) 100.4,169.5 99.1,169.5 cw(c99.1,171.1) 97.5,171.1 97.5,177 108.48,177 cw(c108.48,175.5) 109.802,176.209 ccw(c115,179) 120.198,176.209 cw(c121.52,175.5) 121.52,177 172.48,177 cw(c172.48,175.5) 173.802,176.209 ccw(c179,179) 180.196,173.222 cw(c180.5,171.754) 182,171.754 182,118.35 ccw(c188.35,118.35) 188.35,112 201,112 201,110.27 cw(c199.5,110.27) 200.209,108.948 ccw(c203,103.75) 200.209,98.552 cw(c199.5,97.23) 201,97.23 201,59.02 cw(c199.5,59.02) 200.209,57.698 ccw(c203,52.5) 200.209,47.302 cw(c199.5,45.98) 201,45.98 201,25 195.765,25 cw(c195.765,26.5) 194.393,25.892 ccw(c189,23.5) 183.607,25.892 cw(c182.235,26.5) 182.235,25 145.098,25 cw(c145.098,26.5) 143.727,25.892 ccw(c138.333,23.5) 132.94,25.892 cw(c131.569,26.5) 131.569,25 94.435,25 cw(c94.435,26.5) 93.063,25.892 ccw(c87.67,23.5) 82.277,25.892 cw(c80.905,26.5) 80.905,25 43.765,25 cw(c43.765,26.5) 42.393,25.892 ccw(c37,23.5) 31.607,25.892 cw(c30.235,26.5) 30.235,25 25,25 ; 128.929,141.207 ccw(c135.293,134.843) 141.657,128.479 158.627,145.449 ccw(c152.263,151.813) 145.899,158.177 128.929,141.207
  lines w0.2: 45.5,28 45.5,94.3
Mechanical 2:
  drawing of 325 lines, arcs and shapes, not listed
Mechanical 3:
  lines w0.127: 187,112.145 ccw(c188.35,118.35) 188.35,112 201,112 201,110.27 cw(c199.5,110.27) 200.21,108.948 ccw(c203,103.75) 200.21,98.552 cw(c199.5,97.23) 201,97.23 201,59.02 cw(c199.5,59.02) 200.21,57.698 ccw(c203,52.5) 200.21,47.302 cw(c199.5,45.98) 201,45.98 201,25 195.765,25 cw(c195.765,26.5) 194.393,25.892 ccw(c189,23.5) 183.607,25.892 cw(c182.235,26.5) 182.235,25 145.098,25 cw(c145.098,26.5) 143.727,25.892 ccw(c138.333,23.5) 132.94,25.892 cw(c131.569,26.5) 131.569,25 94.435,25 cw(c94.435,26.5) 93.063,25.892 ccw(c87.67,23.5) 82.277,25.892 cw(c80.905,26.5) 80.905,25 43.765,25 cw(c43.765,26.5) 42.393,25.892 ccw(c37,23.5) 31.607,25.892 cw(c30.235,26.5) 30.235,25 25,25 25,93.5 26.5,95 27.235,95 cw(c27.235,93.5) 28.607,94.108 ccw(c34,96.5) 39.393,94.108 cw(c40.765,93.5) 40.765,95 71.235,95 cw(c71.235,93.5) 72.607,94.108 ccw(c78,96.5) 83.393,94.108 cw(c84.765,93.5) 84.765,95 91.4,95 ccw(c91.4,96.6) 93,96.6 93,130.4 cw(c94.6,130.4) 94.6,132 94.9,132 ccw(c94.9,134) 96.9,134 96.9,140.9 cw(c98.5,140.9) 98.5,142.5 100.4,142.5 ccw(c100.4,144.1) 102,144.1 102,167.9 ccw(c100.4,167.9) 100.4,169.5 99.1,169.5 cw(c99.1,171.1) 97.5,171.1 97.5,177 108.48,177 cw(c108.48,175.5) 109.802,176.21 ccw(c115,179) 120.198,176.21 cw(c121.52,175.5) 121.52,177 172.48,177 cw(c172.48,175.5) 173.802,176.21 ccw(c179,179) 180.196,173.223 cw(c180.5,171.754) 182,171.754 182,135 ; 182,135 cw(c182,130) 187,130 187,39 cw(c182,39) 182,34 117,34 cw(c117,39) 112,39 112,130 cw(c117,130) 117,135 182,135

## Text inside footprints (layer, text, board x,y; h text height)
J9: Top Overlay "1" at 177.226,47.913 h0.75 r90; Top Overlay "5" at 177.251,45.113 h0.75 r90